# Altium PCB FYDP_rev1.PcbDoc (continued)
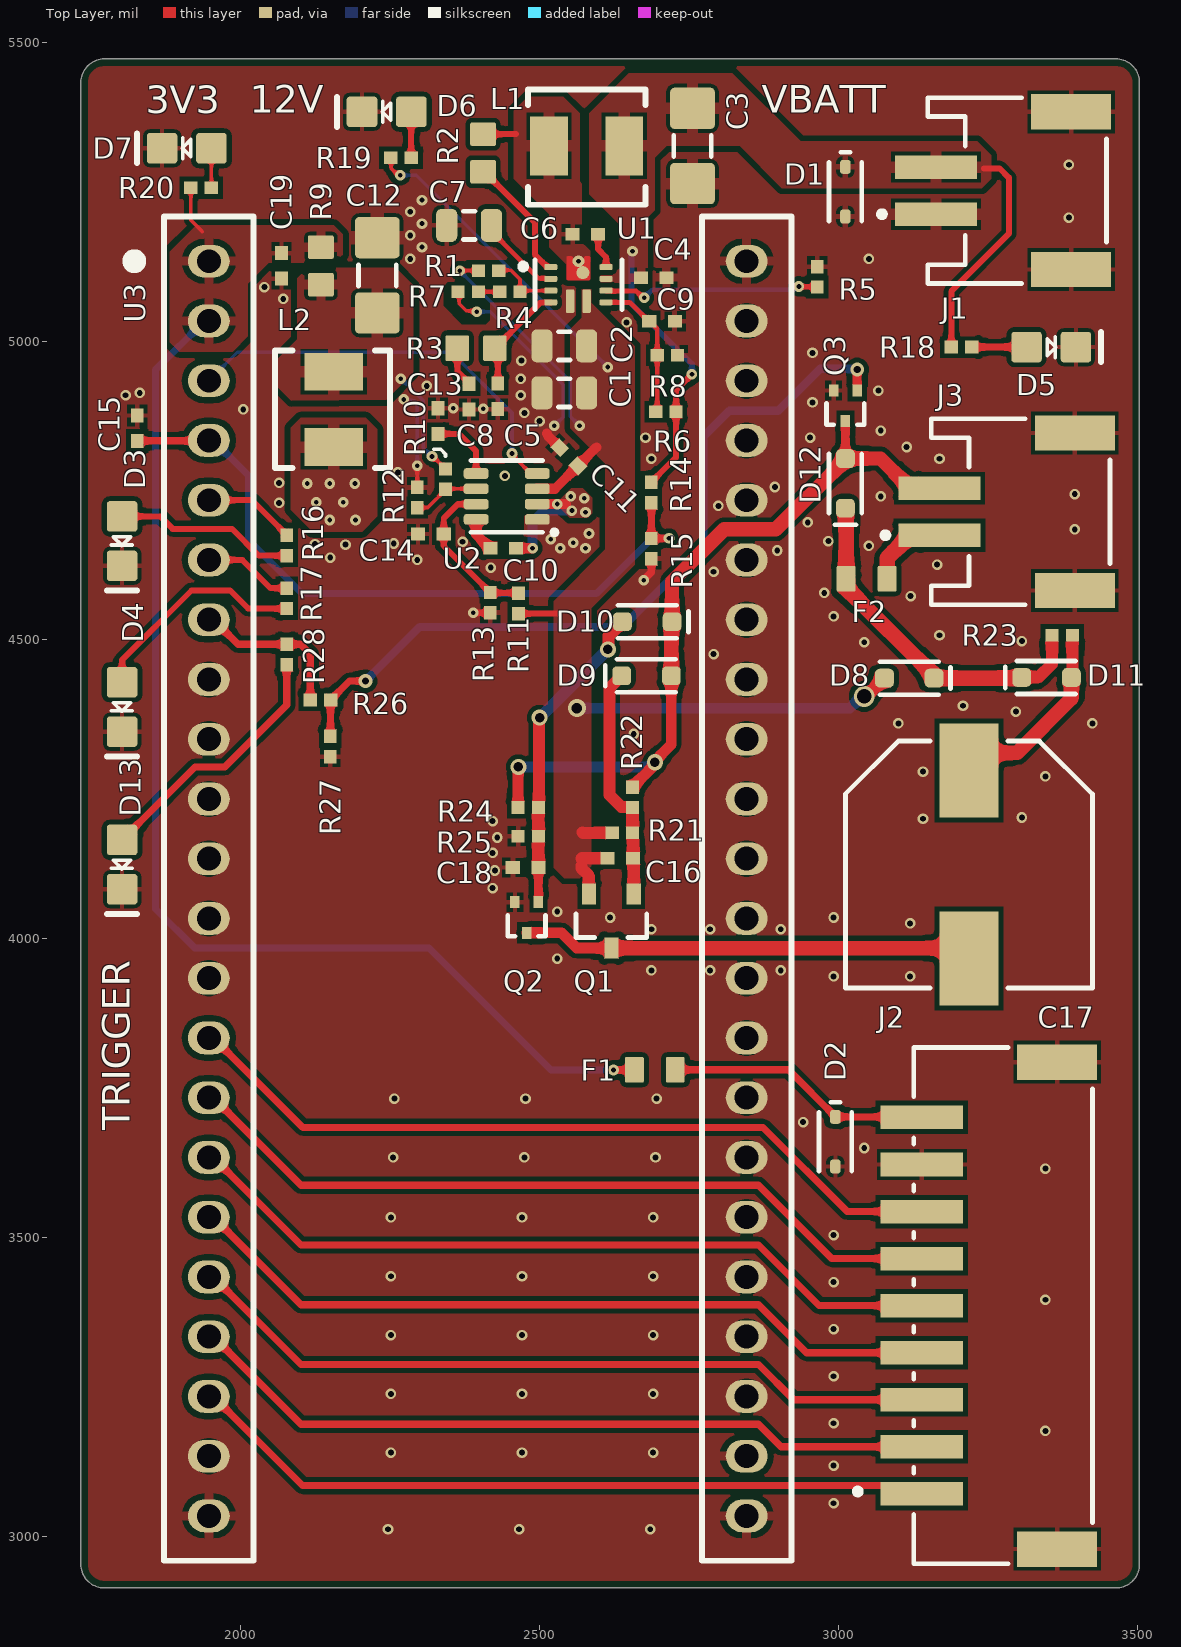
[diagram p0: Top Layer view]
## Footprints (in the part's own frame and the unit in brackets; to place one, negate y for a bottom-side part, rotate by r counter-clockwise, add the part's x,y. Pads: shape width x height; smd on the part's side, far side on the other; paste and mask are expansions set on the pad)
CAP0402 [mm]
  rect 0.6x0.54 smd paste-100 mask+0.051: 1(0,0) 2(1.09,0)
  body extent 0.06,-0.25 1.06,0.25, height 0.5
CAP0805 [mm]
  rrect50% 0.9x1.4 smd: 1(0,0) 2(1.9,0)
  silkscreen extent 0.7,-0.6 1.2,0.6, body extent -0.05,-0.6 1.95,0.6, height 1.2
CAP1206 [mm] "Chip Capacitor, Body 3.2x1.6mm, Height 0.55mm, IPC Medium Density"
  rrect20% 1.75x1.9 smd: 1(-1.6,0) 2(1.6,0)
  silkscreen extent -0.45,-0.8 0.45,0.8, body extent -1.7,-0.9 1.7,0.9, height 0.88
EPS32-S3-DevKitC [mil]
  oval 70x55 hole 40: 1(0,0) 2(0,-100) 3(0,-200) 4(0,-300) 5(0,-400) 6(0,-500) 7(0,-600) 8(0,-700) 9(0,-800) 10(0,-900) 11(0,-1000) 12(0,-1100) 13(0,-1200) 14(0,-1300) 15(0,-1400) 16(0,-1500) 17(0,-1600) 18(0,-1700) 19(0,-1800) 20(0,-1900) 21(0,-2000) 22(0,-2100) 23(900,0) 24(900,-100) 25(900,-200) 26(900,-300) 27(900,-400) 28(900,-500) 29(900,-600) 30(900,-700) 31(900,-800) 32(900,-900) 33(900,-1000) 34(900,-1100) 35(900,-1200) 36(900,-1300) 37(900,-1400) 38(900,-1500) 39(900,-1600) 40(900,-1700) 41(900,-1800) 42(900,-1900) 43(900,-2000) 44(900,-2100)
  silkscreen extent -135,-2175 975,75
FP-RNR0011A-MFG [mm]
  rrect40% 0.55x0.25 smd paste+0 mask+0: 1(-1.175,0.75) 2(-1.175,0.25) 3(-1.175,-0.25) 4(-1.175,-0.75) 7(1.175,-0.75) 8(1.175,-0.25) 9(1.175,0.25) 10(1.175,0.75)
  rrect29% 0.35x1 smd paste-1000 mask+0: 5(-0.35,-0.7) 6(0.35,-0.7)
  round 0.553 smd paste-1000 mask+0: 11(0.188,0.513)
  Top Layer region: 0.45,0.2 0.469,0.204 0.485,0.215 0.496,0.231 0.5,0.25 0.5,0.25 0.5,1.15 0.493,1.175 0.475,1.193 0.45,1.2 0.45,1.2 0.3,1.2 0.275,1.193 0.257,1.175 0.25,1.15 0.25,1.15 0.25,0.87 0.246,0.851 0.235,0.835 0.219,0.824 0.2,0.82 0.2,0.82 -0.2,0.82 -0.225,0.827 -0.243,0.845 -0.25,0.87 -0.25,0.87 -0.25,1.15 -0.254,1.169 -0.265,1.185 -0.281,1.196 -0.3,1.2 -0.3,1.2 -0.45,1.2 -0.475,1.193 -0.493,1.175 -0.5,1.15 -0.5,1.15 -0.5,0.25 -0.496,0.231 -0.485,0.215 -0.469,0.204 -0.45,0.2 -0.45,0.2 -0.45,0.2
  silkscreen extent -2.47,-1.05 1.85,1.05, body extent -1.55,-1.3 1.55,1.35, height 0.25
FP-S9B-PH-SM4-TB_LF_SN-MFG [mm]
  rect 1x3.5 smd paste+0 mask+0: 1(8,-3.45) 2(6,-3.45) 3(4,-3.45) 4(2,-3.45) 5(0,-3.45) 6(-2,-3.45) 7(-4,-3.45) 8(-6,-3.45) 9(-8,-3.45)
  rect 1.5x3.4 smd paste+0 mask+0: 10(-10.35,2.3) 11(10.35,2.3)
  silkscreen extent -10.97,-6.3 10.97,3.8, body extent -11.2,-5.3 11.2,4.1, height 0.25
FUSE_0603 [mm] "Chip Fuse, Body 1.6x0.81mm"
  rrect15% 0.8x1.09 smd: 1(-0.87,0) 2(0.87,0)
  body extent -0.8,-0.38 0.8,0.38, height 0.75
"JST- S2B-PH-SM4-TB(LF)(SN)-2_V" [mm] "SMD, 2-Leads, Body 7.9x7.6mm, Pitch 2mm"
  rect 1x3.5 smd: 1(-1,3.45) 2(1,3.45)
  rect 1.5x3.4 smd: MP1(-3.35,-2.3) MP2(3.35,-2.3)
  silkscreen extent -3.95,-3.8 3.95,5.87, body extent -3.95,-3.8 3.95,4.8, height 5.6
LED_0805_GREEN [mm] "SMD, 2-Leads, Body 2x1.25mm"
  rrect20% 1.3x1.3 smd: 1(1.05,0) 2(-1.05,0)
  silkscreen extent -0.18,-0.63 2.11,0.64, body extent -1,-0.62 1,0.63, height 1.12
LED_0805_RED [mm] "SMD, 2-Leads, Body 2x1.25mm"
  rrect20% 1.3x1.3 smd: 1(1.05,0) 2(-1.05,0)
  silkscreen extent -0.18,-0.63 2.11,0.64, body extent -1,-0.62 1,0.63, height 1.12
LED_0805_YELLOW [mm] "SMD, 2-Leads, Body 2x1.25mm"
  rrect20% 1.3x1.3 smd: 1(1.05,0) 2(-1.05,0)
  silkscreen extent -0.18,-0.64 2.11,0.64, body extent -1,-0.62 1,0.63, height 1.12
NIC-CAPA2-10X10_V [mm] "Aluminum Electrolytic Capacitor, Diameter 10mm, Height 10.8mm, Pitch 8mm"
  rect 4x2.5 smd: 1(-4,0) 2(4,0)
  silkscreen extent -5.25,-5.25 5.25,5.25, body extent -4.96,-4.99 5,4.99, height 10.8
RES0402 [mm]
  rect 0.566x0.54 smd paste-100 mask+0.051: 1(0,0) 2(0.866,0)
  body extent -0.07,-0.25 0.93,0.25, height 0.3
RES0603 [mm]
  rrect15% 1x1.1 smd: 1(0,0) 2(1.6,0)
  body extent 0,-0.4 1.6,0.4, height 0.46
SD05-7 [mm] "SOD-323"
  rrect50% 0.59x0.45 smd: 1(0,0) 2(2.11,0)
  silkscreen extent -0.63,-0.7 2.3,0.7, body extent -0.2,-0.63 2.3,0.63, height 1
SOD-323 [mm] "SOD-323"
  rrect50% 0.8x0.8 smd: 1(0,0) 2(2.11,0)
  silkscreen extent -0.7,-0.7 2.3,0.7, body extent -0.2,-0.63 2.3,0.63, height 1
SOT23-3 [mm] "SOT23, 3-Leads, Body 2.90x2.30mm, Pitch 0.95mm, IPC Medium Density"
  rect 0.9x0.6 smd: 1(-1.15,0.95) 2(-1.15,-0.95) 3(1.15,0)
  silkscreen extent -0.3,-1.5 0.7,1.5, body extent -1.3,-1.5 1.3,1.5, height 1.1
SOT-523 [mm]
  rect 0.4x0.51 smd: 1(-0.5,-0.65) 2(0.5,-0.65) 3(0,0.65)
  silkscreen extent -0.8,-0.1 0.8,0.8, body extent -0.8,-0.83 0.8,0.8, height 0.81
TMPA0503S-3R3MN-D [mm]
  rect 1.6x2.5 smd: 1(0,0) 2(3.2,0)
  silkscreen extent -0.9,-2.4 4.1,2.5, body extent -1,-2.5 4.2,2.5, height 3
TPS563210ADDFR [mm] "SOT-23-8"
  rrect50% 1.05x0.45 smd: 1(-1.3,0.975) 2(-1.3,0.325) 3(-1.3,-0.325) 4(-1.3,-0.975) 5(1.3,-0.975) 6(1.3,-0.325) 7(1.3,0.325) 8(1.3,0.975)
  silkscreen extent -2.11,-1.52 1.52,1.6, body extent -1.48,-1.45 1.48,1.45, height 1.1

## Part data
C1 C2 C7: library part CAP0805, "25V 10uF X5R ±10% 0805  Multilayer Ceramic Capacitors MLCC - SMD/SMT ROHS", Capacitance=10uF, Dielectric=X5R, Manufacturer="Samsung Electro-Mechanics", Package=0805, Tolerance=10%, Voltage Rating=25V, Manufacturer Part Number=CL21A106KAYNNNE
C3 C12: library part CAP1206, "10V 47uF X5R ±20% 1206  Multilayer Ceramic Capacitors MLCC - SMD/SMT ROHS", Capacitance=47uF, Dielectric=X5R, Manufacturer="Samsung Electro-Mechanics", Package=1206, Tolerance=20%, Voltage Rating=10V, Manufacturer Part Number=CL31A476MPHNNNE
C4 C6 C9 C10 C11 C14 C15 C16 C18 C19: library part CAP0402, "50V 100nF X7R ±10% 0402  Multilayer Ceramic Capacitors MLCC - SMD/SMT ROHS", Capacitance=100nF, Dielectric=X7R, Manufacturer="Samsung Electro-Mechanics", Package=0402, Tolerance=±20%, Voltage Rating=50V, Manufacturer Part Number=CL05B104KB54PNC
C5: library part CAP0402, "50V 47pF C0G ±5% 0402  Multilayer Ceramic Capacitors MLCC - SMD/SMT ROHS", Capacitance=47pF, Dielectric=C0G, Manufacturer="FH (Guangdong Fenghua Advanced Tech)", Package=0402, Tolerance=±5%, Voltage Rating=50V, Manufacturer Part Number=0402CG470J500NT
C8: library part CAP0402, "50V 1nF X7R ±10% 0402  Multilayer Ceramic Capacitors MLCC - SMD/SMT ROHS", Capacitance=1nF, Dielectric=X7R, Manufacturer="FH (Guangdong Fenghua Advanced Tech)", Package=0402, Tolerance=±10%, Voltage Rating=50V, Manufacturer Part Number=0402B102K500NT
C13: library part CAP0402, "50V 22nF X7R ±10% 0402  Multilayer Ceramic Capacitors MLCC - SMD/SMT ROHS", Capacitance=22nF, Dielectric=X7R, Manufacturer="FH (Guangdong Fenghua Advanced Tech)", Package=0402, Tolerance=10%, Voltage Rating=50V, Manufacturer Part Number=0402B223K500NT
C17: library part CMP-0687-00002-1, "Aluminum Electrolytic Capacitor, UD Series, Low Impedance, 470 uF, 25 V, + / - 20%, -55 to 105 degC, Chip Type, 10 x 10 mm D x L, Pb-Free, Reel", Manufacturer=Nichicon, Rated Capacitance="470 uF", Rated Ripple Current (at 100kHz)="670 mA", Rated Voltage="25 V", Tolerance Rated Capacitance="-20 to 20%", ComponentLink1Description="Manufacturer URL", ComponentLink1URL=http://www.nichicon.co.jp/, ComponentLink2Description=Datasheet, ComponentLink2URL=http://products.nichicon.co.jp/en/pdf/XJA043/e-ud.pdf, ComponentLink3Description="Package Specification", ComponentLink3URL=http://products.nichicon.co.jp/en/pdf/XJA043/e-ud.pdf, DatasheetVersion=08/2012, Diameter="10 mm", Endurance Time="5000 h", Impedance="0.09 Ohm", Length="10 mm", Mounting Technology="Surface Mount", PackageDescription="2-Pin Surface Mount Device, Diameter 10 mm, Height 10 mm, Pitch 8 mm", PackageReference=CAPAE-D10H10, Packing="Dia382mm Reel", PartNumber=UUD1E471MNL1GS, RoHS=TRUE
D1 D2: "TVS UNI14.5V 6.2V 5V SOD-323", Breakdown Voltage=6.2V, Clamping Voltage=14.5V, Manufacturer="Diodes Incorporated", Package=SOD-323, Reverse Standoff Voltage=5V, Manufacturer Part Number=SD05-7
D3: library part LED_GREEN, "Emerald 0805  Light Emitting Diodes (LED) ROHS", Manufacturer="Hubei KENTO Elec", If rated=20mA, Manufacturer Part Number=KT-0805G, Vf=2.1V
D4: library part LED_RED, "Colorless transparence 67mcd~195mcd -30℃~+85℃ 615nm~630nm Red 130° 65mW 0805  Light Emitting Diodes (LED) ROHS", Manufacturer="Foshan NationStar Optoelectronics", If rated=25mA, Manufacturer Part Number=NCD0805R1, Vf=2.0V
D5 D6 D7 D13: library part LED_YELLOW, "Yellow 0805  Light Emitting Diodes (LED) ROHS", Manufacturer="Hubei KENTO Elec", If rated=20mA, Manufacturer Part Number=KT-0805Y, Vf=2.1V
D8 D9 D10 D11 D12: "40V 470mV@500mA 0.5A SOD-323  Schottky Barrier Diodes (SBD) ROHS", Manufacturer="Taiwan Semiconductor", Package/Footprint=SOD-323, Io=0.5A, Manufacturer Part Number=RB551V-40, Mounting Type=SMD, Vf (Max)="470mV @ 0.5A", Vr (Max)=40V
F1 F2: library part FUSE0603, "50A SMD Fuse 1A 32V 32V 0603  Fuses ROHS", Current Rating=1A, Manufacturer=Littelfuse, Package=0603, Supplier Part Number 1=6130137, Voltage Rating=32V, Manufacturer Part Number=0467001.NRHF, Supplier 1="Future Electronics"
J1 J3: library part CMP-1755-00001-1, "Male Header, Pitch 2 mm, 1 x 2 Position, Height 5.5 mm, -25 to 85 degC, RoHS, Tape and Reel", Colour=Black, Current Rating="3 A", Max Operating Temperature=105degC, Min Operating Temperature=-65degC, Package Quantity=100, ComponentLink1Description="Manufacturer URL", ComponentLink1URL=http://www.jst.com/home2.html, ComponentLink2Description=Datasheet, ComponentLink2URL=http://www.jst-mfg.com/product/pdf/eng/ePH.pdf, Contact Finish=Lead, Contact Material=Bronze, Contact Plating=Tin, DatasheetVersion=Dec-12, Height="8.13 mm", Lead Pitch="0.1 inch", Length="101.19 mm", Mount="Through Hole", PackageDescription="Male Header, Pitch 2 mm, 1 x 2 Position, Height 5.5 mm", PackageReference=S2B-PH-SM4-TB(LF)(SN)-2, Packaging=Bulk, Pins=40, Radiation Hardening=No, RoHSCompliant=True, Width="2.34 mm"
J2: library part CMP-17439-000494-1, "CONN HEADER SMD R/A 9POS 2MM", Color=White, Contact Resistance=10mR, Current Rating=2A, Flammability Rating="UL94 V-0", Housing Color=Natural, Insulation Resistance=1GR, Max Operating Temperature=85°C, Min Operating Temperature=-25°C, Voltage Rating=100V, Connector Type=Header, Contact Finish - Mating=TIN, Contact Material="Copper Alloy", Contact Mating Length=0.13inch, Contact Plating=Tin, Contact Shape=Square, Contact Type="Male Pin", Fastening Type=Detent, Gender=Male, Housing Material=Nylon, Insulation Color=Natural, Insulation Material=Nylon, Lead Free="Lead Free", Lead Pitch=2mm, Mount="Surface Mount", Number of Contacts=9, Number of Poles=9, Number of Positions=9, Number of Rows=1, Orientation="Right Angle", Packaging="Cut Tape", Pitch=2mm, Reach SVHC Compliant=Yes, Series=PH, Termination=Solder, Voltage Rating (AC)=100V, Working Voltage=100V
L1 L2: "INDUCTOR 5.3A 3.3uH ±20% SMD Power Inductors ROHS", DC Resistance=28mR, Inductance=3.3uH, Manufacturer=TAI-TECH, Tolerance=20%, Isat(min)=5.3A, Manufacturer Part Number=TMPA0503S-3R3MN-D
Q1: "P-Channel 30 V 760mA (Ta) 540mW (Ta) Surface Mount Micro3™/SOT-23", Manufacturer 1="Infineon Technologies", Power Dissipation (Max)="540mW (Ta)", Supplier Part Number 1=942-IRLML5103TRPBF, Id=760mA, Manufacturer Part Number 1=IRLML5103TRPBF, Mounting Type=SMD, Supplier 1=Mouser, Vdss=30V, Vgs (Max)=±20V
Q2 Q3: "NFET 60 V 320mA (Ta) 230mW (Ta) Surface Mount SOT-523", Package=SOT-523, Supplier Part Number 1=DMN62D0UT-7DICT-ND, Id @ 25°C=320mA, Supplier 1=Digikey, Vdss=60V, Vgs (Max)=±20V, Vgs(th) (Max) @ Id="1V @ 250uA"
R1 R5: library part RES0402, "62.5mW Thick Film Resistors ±100ppm/℃ ±1% 1MΩ 0402  Chip Resistor - Surface Mount ROHS", Manufacturer="UNI-ROYAL(Uniroyal Elec)", Package=0402, Power Rating=62.5mW, Resistance=1MR, Tolerance=1%, Manufacturer Part Number=0402WGF1004TCE
R2: library part RES0603, "100mW Thick Film Resistors ±100ppm/℃ ±1% 330kΩ 0603  Chip Resistor - Surface Mount ROHS", Manufacturer="UNI-ROYAL(Uniroyal Elec)", Package=0603, Power Rating=100mW, Resistance=330kR, Tolerance=1%, Manufacturer Part Number=0603WAF3303T5E
R3: library part RES0603, "100mW Thick Film Resistors ±100ppm/℃ ±1% 24kΩ 0603  Chip Resistor - Surface Mount ROHS", Manufacturer="UNI-ROYAL(Uniroyal Elec)", Package=0603, Power Rating=100mW, Resistance=24kR, Tolerance=1%, Manufacturer Part Number=0603WAF2402T5E
R4: library part RES0402, "62.5mW Thick Film Resistors ±100ppm/℃ ±1% 100kΩ 0402  Chip Resistor - Surface Mount ROHS", Manufacturer="UNI-ROYAL(Uniroyal Elec)", Package=0402, Power Rating=62.5mW, Resistance=100kR, Tolerance=1%, Manufacturer Part Number=0402WGF1003TCE
R6: library part RES0402, "62.5mW Thick Film Resistors ±100ppm/℃ ±1% 15kΩ 0402  Chip Resistor - Surface Mount ROHS", Manufacturer="UNI-ROYAL(Uniroyal Elec)", Package=0402, Power Rating=62.5mW, Resistance=15kR, Tolerance=1%, Manufacturer Part Number=0402WGF1502TCE
R7 R8 R12 R13 R14 R23 R27: library part RES0402, "62.5mW Thick Film Resistors ±100ppm/℃ ±1% 10kΩ 0402  Chip Resistor - Surface Mount ROHS", Manufacturer="UNI-ROYAL(Uniroyal Elec)", Package=0402, Power Rating=62.5mW, Resistance=10kR, Tolerance=1%, Manufacturer Part Number=0402WGF1002TCE
R9: library part RES0603, "100mW Thick Film Resistors ±1% 0Ω 0603  Chip Resistor - Surface Mount ROHS", Manufacturer="UNI-ROYAL(Uniroyal Elec)", Package=0603, Power Rating=100mW, Resistance=0R, Tolerance=1%, Manufacturer Part Number=0603WAF0000T5E
R10 R15: library part RES0402, "62.5mW Thick Film Resistors ±100ppm/℃ ±1% 33kΩ 0402  Chip Resistor - Surface Mount ROHS", Manufacturer="UNI-ROYAL(Uniroyal Elec)", Package=0402, Power Rating=62.5mW, Resistance=33kR, Tolerance=1%, Manufacturer Part Number=0402WGF3302TCE
R11 R21 R25: library part RES0402, "62.5mW Thick Film Resistors ±100ppm/℃ ±1% 51kΩ 0402  Chip Resistor - Surface Mount ROHS", Manufacturer="UNI-ROYAL(Uniroyal Elec)", Package=0402, Power Rating=62.5mW, Resistance=51kR, Tolerance=1%, Manufacturer Part Number=0402WGF5102TCE
R16 R20 R28: library part RES0402, "62.5mW Thick Film Resistors ±100ppm/℃ ±1% 330Ω 0402  Chip Resistor - Surface Mount ROHS", Manufacturer="UNI-ROYAL(Uniroyal Elec)", Package=0402, Power Rating=62.5mW, Resistance=330R, Tolerance=1%, Manufacturer Part Number=0402WGF3300TCE
R17 R18 R22 R24: library part RES0402, "62.5mW Thick Film Resistors ±100ppm/℃ ±1% 510Ω 0402  Chip Resistor - Surface Mount ROHS", Manufacturer="UNI-ROYAL(Uniroyal Elec)", Package=0402, Power Rating=62.5mW, Resistance=510R, Tolerance=1%, Manufacturer Part Number=0402WGF5100TCE
R19: library part RES0402, "62.5mW Thick Film Resistors ±100ppm/℃ ±1% 2.2kΩ 0402  Chip Resistor - Surface Mount ROHS", Manufacturer="UNI-ROYAL(Uniroyal Elec)", Package=0402, Power Rating=62.5mW, Resistance=2.2kR, Tolerance=1%, Manufacturer Part Number=0402WGF2201TCE
R26: library part RES0402, "62.5mW Thick Film Resistors ±1% ±200ppm/℃ 100Ω 0402  Chip Resistor - Surface Mount ROHS", Manufacturer="UNI-ROYAL(Uniroyal Elec)", Package=0402, Power Rating=62.5mW, Resistance=100R, Tolerance=1%, Manufacturer Part Number=0402WGF1000TCE
U1: library part CMP-04918-000107-1, "IC REG BOOST ADJ 7A 11VQFN", Manufacturer="Texas Instruments", Max Junction Temp=+125°C, Max Supply Voltage=12V, Min Supply Voltage=2.7V, Nominal Supply Current=10uA, Output Current=8.1-10A, Output Voltage=4.5-12.6V, Package=11VQFN, Switching Frequency=200-2200kHz, Temperature="-40°C to +85°C", Temperature Range High=+85°C, Temperature Range Low=-40°C, Automotive=No, Category=IC, ComponentLink2Description=Datasheet, ComponentLink2URL=http://www.ti.com/lit/ds/symlink/tps61089.pdf, Device Class L1="Integrated Circuits (ICs)", Device Class L2="Power Management ICs", Device Class L3="Voltage Regulators - Switching", Digikey Description="IC REG BOOST ADJ 7A 11VQFN", Height=1mm, Lead Free=Yes, Manufacturer Part Number=TPS61089RNRR, Max Duty Cycle=90%, Number Of Outputs=1, Octopart=https://octopart.com/tps61089rnrr-texas+instruments-68059594, Output Type=AdjustableProgrammable, RoHS=TRUE, Standoff Height=0mm, Switching Topology=Boost
U2: "IC REG BUCK ADJ 3A SOT-23-8", Manufacturer="Texas Instruments", Package=SOT-23-8, Supplier Part Number 1=595-TPS563210ADDFR, Manufacturer Part Number=TPS563210ADDFR, Supplier 1=Mouser
U3: library part EPS32-S3-DevKitC, Dev Kit Part Number=ESP32-S3-DevKitC-1, MCU Part Number=ESP32-S3-WROOM-2-N32R8V

## Via types
v1: diameter 17.72, hole 9.84, Top Layer to Bottom Layer, tented both sides, 119 vias
v2: diameter 17.72, hole 7.87, Top Layer to Bottom Layer, tented both sides, 39 vias
v3: diameter 27, hole 16, Top Layer to Bottom Layer, tented both sides, 4 vias
v4: diameter 17.72/17.72/17.72/17.72 (per signal layer), hole 7.87, Top Layer to Bottom Layer, tented both sides, 3 vias
v5: diameter 23, hole 12, Top Layer to Bottom Layer, tented both sides, 2 vias
v6: diameter 30, hole 18, Top Layer to Bottom Layer, tented both sides, 1 vias
v7: diameter 35, hole 24, Top Layer to Bottom Layer, tented both sides, 1 vias
v8: diameter 19.68, hole 7.87, Top Layer to Bottom Layer, 1 vias

## Nets (pads, with @x,y where several pads share a name; then routed paths per layer and width w, separated by ;. In a path a pad name is that pad's centre, name@x,y a point inside that pad or via, vN(x,y) a via of type N, cw(c..) or ccw(c..) an arc to the next point about the centre after c; other vN are vias at no path point)
BOOST_EN: C9.2 R6.1 R8.2 U1.7 | length 244.2
  Top Layer w8: U1.7 2650.78,5064.96 2682.28,5033.46 C9.2 2684.64,5033.46 2691.27,5026.83 2691.27,5025.65 2696.85,5020.07 2696.85,4884.47 R6.1
BUCK_EN: C14.2 R11.1 R13.2 U2.7 | length 268.6
  Top Layer w10: U2.7 2363.19,4727.36 2339.57,4703.74 C14.2 2339.57,4657.11 2411.19,4585.49 2411.69,4585.49 2417.32,4579.86 R13.2 2418,4578.68 2463.89,4578.68 R11.1
GND: C1.1 C2.1 C3.1 C4.1 C5.1 C7.1 C8.1 C9.1 C11.1 C12.1 C13.1 C14.1 C15.1 C18.1 C19.1 D1.2 D2.2 D3.1 D4.1 D5.1 D6.1 D7.1 D13.1 J1.1 J1.MP1 J1.MP2 J2.8 J2.10 J2.11 J3.MP1 J3.MP2 Q2.2 Q3.2 R5.1 R7.1 R8.1 R12.1 R13.1 R15.2 R25.1 R27.1 U1.5 U2.1 U3.22 U3.23 U3.43 U3.44 | length 594.2
  Top Layer w6: R12.1 v4(2295.28,4791.34) ; R7.1 2365.24,5080.99 2365.24,5062.91 2377.46,5050.69 2393.21,5050.69 v4(2394.68,5049.21)
  Top Layer w10: v2(2388.78,4545.39) 2388.83,4545.33 R13.1 R13.1
  Top Layer w12: v2(2674.21,4600.05) 2674.21,4600.39 2687.01,4613.19 R15.2
  Top Layer w16: 2511.81,4845.47 2513.78,4843.5 2513.78,4841.54 C11.1
  Bottom Layer w6: v2(2272.64,4902.56) 2274.75,4900.45 2290.5,4900.45 2295.28,4895.67 v4(2295.28,4791.34) ; v4(2394.68,5049.21) 2417.32,5049.21 2539.37,4927.17 2539.37,4873.01 v4(2524.59,4858.23)
  other v1: 2246.24,3011.55 2465.73,3011.55 2685.22,3011.55 2992.13,3055.12 2992.13,3118.11 2250.98,3139.76 2470.47,3139.76 2689.96,3139.76 3346.46,3176.18 2992.13,3188.98 2250.98,3238.19 2470.47,3238.19 2689.96,3238.19 2992.13,3267.72 2250.98,3336.61 2470.47,3336.61 2689.96,3336.61 2992.13,3346.46 3346.46,3395.67 2992.13,3425.2 2250.98,3435.04 2470.47,3435.04 2689.96,3435.04 2992.13,3503.94 2250.98,3533.46 2470.47,3533.46 2689.96,3533.46 3346.46,3615.16 2254.92,3633.86 2474.41,3633.86 2693.9,3633.86 3043.31,3649.61 2940.94,3692.91 2256.89,3732.28 2476.38,3732.28 2695.87,3732.28 2992.13,3937.01 3120.08,3937.01 2687.01,3946.85 2785.43,3946.85 2903.54,3946.85 2529.53,3966.54 2687.01,4015.75 2785.43,4015.75 2903.54,4015.75 3120.08,4025.59 2618.11,4035.43 2992.13,4035.43 2529.53,4045.28 2421.26,4084.65 2425.2,4114.17 2421.26,4143.7 2429.13,4169.29 2421.26,4196.85 3141.73,4200.79 3307.09,4202.76 3346.46,4271.65 3141.73,4279.53 2657.48,4342.52 3100.39,4360.24 3425.2,4360.24 3297.24,4379.92 3208.66,4389.76 2791.34,4476.38 3043.31,4496.06 3307.09,4498.03 3169.29,4507.87 2992.13,4539.37 3120.86,4573.39 2976.38,4578.74 2791.34,4614.17 2418.31,4621.06 3165.35,4625.98 2295.28,4633.86 2149.61,4637.8 2897.64,4649.61 3051.18,4657.48 2175.2,4659.45 2124.02,4660.43 2255.91,4661.42 2371.06,4664.37 2983.26,4665.35 3395.67,4685.04 2948.82,4696.85 2799.21,4724.41 2063.98,4729.33 3070.87,4740.16 3395.67,4744.09 2893.7,4755.91 2063.98,4762.8 2441.93,4774.61 2262.8,4780.51 2687.01,4803.15 3169.29,4803.15 3114.17,4822.83 2677.17,4838.58 2952.76,4838.58 3070.87,4850.39 2500,4866.14 2474.41,4879.92 2003.94,4885.83 2956.69,4897.64 1807.09,4909.45 2468.5,4909.45 1830.71,4913.39 3066.93,4917.32 2311.02,4925.2 2468.5,4937.01 2469.49,4967.52 2956.69,4980.31 2645.67,5031.5 2070.87,5070.87 2039.37,5090.55 2283.46,5137.8 3051.18,5137.8 2283.46,5177.17 3385.83,5206.69 2283.46,5216.54 3385.83,5295.28
  other v2: 2534.45,4653.54 2576.77,4653.54 2556.1,4662.4 2518.7,4668.31 2582.68,4678.15 2405.51,4886.81 2355.32,4887.8 2303.15,5157.48 2303.15,5196.85 2303.15,5236.22
IMU1_INT: J2.6 U3.15 | length 1304.9
  Top Layer w12: U3.15 1953.96,3733.86 2100.45,3587.37 2866.2,3587.37 2989,3464.57 J2.6
IMU2_INT: J2.7 U3.14 | length 1313.7
  Top Layer w12: U3.14 1953.96,3833.86 2103.76,3684.06 2874.02,3684.06 3014.76,3543.31 J2.7
LED_1: R16.2 U3.5 | length 154.9
  Top Layer w10: U3.5 2018.62,4733.86 2076.77,4675.7 R16.2
LED_2: R17.2 U3.6 | length 149.9
  Top Layer w10: U3.6 2002.39,4633.86 2049.63,4586.61 R17.2
NetC5_2: C5.2 R3.2 U1.4 | length 187.5
  Top Layer w10: C5.2 2430,4983.37 R3.2 2425.19,4990.15 2439.88,5004.83 2441.85,5004.83 2501.97,5064.96 U1.4
NetC6_1: C6.1 U1.10 | length 60.6
  Top Layer w10: C6.1 2598.04,5153.93 2611.22,5140.75 U1.10
NetC6_2: C6.2 L1.2 R2.2 U1.11 | length 55.1
  Top Layer w10: R2.2 2460.63,5346.46
  other v8: 2564.96,5133.86
NetC7_2: C7.2 U1.2 | length 142.3
  Top Layer w8: C7.2 2419.29,5184.06 2498.09,5105.25 2517.78,5105.25 U1.2
NetC8_2: C8.2 R3.1 | length 67.6
  Top Layer w10: R3.1 2362.2,4949.61 2381.89,4929.93 C8.2
NetC10_1: C10.1 L2.1 U2.2 | length 193.2
  Top Layer w17: C10.1 v2(2488.19,4653.54) ; U2.2 2544.29,4727.36
  Bottom Layer w17: v2(2488.19,4653.54) 2488.19,4696.85 2507.74,4716.4 2554,4716.4 v2(2554.13,4716.54)
  other v2: 2148.62,4700.79 2191.93,4700.79 2576.77,4713.58 2529.53,4727.36 2125.98,4730.31 2171.26,4730.31 2574.8,4737.2 2552.17,4740.16 2111.22,4761.81 2148.62,4761.81 2190.94,4761.81
NetC10_2: C10.2 U2.8 | length 58.9
  Top Layer w17: U2.8 2393.7,4676.37 2414.4,4655.67 2415.58,4655.67 C10.2
NetC12_2: C12.2 L2.2 R9.1 R10.2 | length 183.8
  Top Layer w6: v2(2319.88,4807.09) 2321.99,4807.09 2342.52,4786.55 R10.2
  Bottom Layer w6: v2(2267.72,4937.01) 2268.7,4937.01 2305.12,4900.59 2305.12,4821.85 v2(2319.88,4807.09)
NetC13_2: C13.2 U2.5 | length 113.1
  Top Layer w10: C13.2 2364.77,4844.88 2393.7,4815.94 U2.5
NetC16_1: C16.1 D9.1 Q1.1 R21.1 R22.1 | length 399.7
  Top Layer w20: D9.1 2617.13,4419.69 2617.13,4240.16 2636.66,4220.62 2654.88,4220.62 R22.1@2655.51,4219.99 ; R21.1 R22.1@2655.51,4219.99 ; R22.1 R22.1@2655.51,4219.99 ; C16.1 R21.1@2656.5,4176.18 ; Q1.1 C16.1@2657.48,4134.84
NetC17_1: C17.1 D11.2 R23.1 | length 328.1
  Top Layer w20: D11.2@3391.73,4438.98 3391.73,4456.69 R23.1
  Top Layer w24: C17.1 3248.03,4311.02 3299.21,4311.02 3389.98,4401.8 D11.2 D11.2@3391.73,4438.98
NetC17_2: C17.2 Q1.3 Q2.3 | length 758.1
  Top Layer w18: Q2.3 2536.56,4009.84 2562.15,3984.25 Q1.3
  Top Layer w24: Q1.3 3200.79,3984.25 C17.2
NetC18_2: C18.2 D10.2 Q2.1 R24.1 R25.2 | length 526
  Top Layer w14: Q2.1 C18.2
  Top Layer w20: C18.2 R25.2 R24.1 2498.39,4219.49 2499.02,4220.12 2499.02,4369.09 v3(2500,4370.08) ; v3(2614.17,4484.25) 2615.51,4485.59 2615.51,4507.39 D10.2
  Bottom Layer w20: v3(2500,4370.08) v3@2612.83,4482.91
NetD2_1: D2.1 F1.1 J2.9 | length 445.6
  Top Layer w12: F1.1 2916.34,3780.51 D2.1 3138.78,3701.77 J2.9
NetD3_2: D3.2 R16.1 | length 302.8
  Top Layer w10: D3.2 1865.16,4706.69 1885.83,4686.02 1985.24,4686.02 2030.14,4641.12 R16.1
NetD4_2: D4.2 R17.1 | length 373.6
  Top Layer w10: D4.2 1801.18,4466.54 1917.32,4582.68 1982.11,4582.68 2012.26,4552.53 R17.1
NetD5_2: D5.2 R18.1 | length 91.9
  Top Layer w12: R18.1 D5.2
NetD6_2: D6.2 R19.1 | length 76.9
  Top Layer w10: R19.1 2285.06,5383.49 D6.2
NetD7_2: D7.2 R20.1 | length 66.1
  Top Layer w6: R20.1 1950.79,5257.26 D7.2
NetD8_1: D8.1 D11.1 D12.1 F2.1 R23.2 | length 601.4
  Top Layer w20: D11.1@3306.91,4436.02 D11.1 3307.59,4437.91 3335.54,4437.91 3357.65,4460.01 R23.2
  Top Layer w26: D12.1@3012.99,4720.47 F2.1 3015.74,4599.61 3015.74,4584.65 3157.49,4442.91 3157.49,4438.77 D8.1@3161.42,4438.77 ; D8.1 D11.1@3306.91,4436.02
NetD9_2: D9.2 D10.1 D12.2 J3.2 Q3.3 R22.2 R24.2 | length 1286.2
  Top Layer w14: D12.2 Q3.3
  Top Layer w18: R24.2 2463.95,4286.79 v3(2464.57,4287.4) ; R22.2@2655.51,4254.07 2691.48,4290.04 2691.48,4293.84 v3(2692.91,4295.28) 2692.91,4297.43 2720.47,4324.99 D9.2
  Top Layer w24: D9.2 D10.1@2720.47,4529.28 ; D10.1 2721.71,4597.69 2809.06,4685.04 2895.18,4685.04 3008.06,4797.92 3008.06,4799.8 D12.2 3070.47,4803.54 3120.08,4753.94 J3.2
  Bottom Layer w18: v3(2464.57,4287.4) 2682.6,4287.4 2690.48,4295.28 v3(2692.91,4295.28)
NetD13_2: D13.2 R28.1 | length 436.8
  Top Layer w12: D13.2 1923.19,4287.37 1973.21,4287.37 2076.77,4390.92 R28.1
NetF2_2: F2.2 J3.1 | length 138
  Top Layer w26: F2.2 3081.5,4636.61 3113.39,4668.51 3162.61,4668.51 J3.1
NetQ3_1: Q3.1 R26.2 R27.2 | length 1315.2
  Top Layer w12: R27.2 2149.91,4338.89 2149.91,4399.3 R26.2 2181.72,4431.1 v5(2208.66,4431.1)
  Top Layer w14: Q3.1 v5(3031.5,4952.76)
  Bottom Layer w14: v5(2208.66,4431.1) 2299.21,4521.65 2638.78,4521.65 2773.62,4656.5 2773.62,4839.57 2817.91,4883.86 2899.61,4883.86 2969.49,4953.74 3030.51,4953.74 v5(3031.5,4952.76)
NetR1_1: R1.1 R4.2 U1.3 | length 112.3
  Top Layer w6: R1.1@2434.66,5119.11 2434.89,5118.87 2451.99,5118.87 2467.15,5103.72 R4.2 2469.04,5084.57 2518.62,5084.57 U1.3
NetR2_1: R2.1 U1.1 | length 210.9
  Top Layer w10: R2.1 2407.48,5283.46 2492.13,5198.82 2492.13,5144.68 2512.8,5124.02 U1.1
NetR4_1: R4.1 R7.2 | length 35.4
  Top Layer w6: R7.2 R4.1
NetR5_2: R5.2 U1.8 | length 366.4
  Top Layer w8: U1.8 2612.07,5083.8 2661.61,5083.8 2672.57,5072.83 v2(2675.2,5072.83) ; v2(2934.06,5091.54) 2934.55,5091.04 2964.07,5091.04 R5.2
  Bottom Layer w8: v2(2675.2,5072.83) 2688.37,5086.01 2925.9,5086.01 2931.43,5091.54 v2(2934.06,5091.54)
NetR10_1: R10.1 R12.2 U2.6 | length 111.8
  Top Layer w6: R12.2 2312.51,4721.46 2343.5,4752.45 2343.5,4752.95 U2.6
NetU2_4: U2.4 U3.3 | length 694.3
  Top Layer w6: v2(2453.74,4812.01) 2453.74,4809.83 2485.03,4778.54 U2.4
  Bottom Layer w6: U3.3 1993.9,4981.3 2352.36,4981.3 2453.74,4879.92 v2(2453.74,4812.01)
PP3V3: C19.2 F1.2 R9.2 R20.2 U3.1 U3.2 | length 2020
  Top Layer w6: R20.2 1916.34,5202.76 1935.61,5183.49 ; F1.2@2658.34,3780.19 F1.2
  Top Layer w12: v2(2623.66,3780.19) F1.2@2658.34,3780.19
  Bottom Layer w12: U3.2 1938.96,5033.86 1857.28,4952.19 1857.28,4049.78 1922.81,3984.25 2315.06,3984.25 2519.13,3780.19 v2(2623.66,3780.19)
PP12V: C1.2 C2.2 C11.2 C16.2 D8.2 Q1.2 R1.2 R11.2 R19.2 R21.2 U1.6 U2.3 | length 1772.3
  Top Layer w6: R19.2@2251.49,5307.09 2251.49,5288.86 2260.55,5279.8 2264.49,5279.8 v2(2266.73,5277.56) ; v2(2366.14,5118.11) R1.2
  Top Layer w10: R11.2 2529.16,4543.92 2529.53,4544.29
  Top Layer w16: 2525.92,4752.95 2563.32,4790.35 2562.99,4790.35 2595.47,4822.83
  Top Layer w17: U2.3 2525.92,4752.95
  Top Layer w20: 2569.88,4122.05 2569.88,4118.11 2581.96,4106.04 2581.96,4075.52 Q1.2 ; 2569.88,4133.86 2570.87,4134.84 C16.2 ; 2571.85,4178.15 2572.83,4177.17 R21.2 ; v7(3043.31,4405.51) 3046.65,4405.51 D8.2@3079.13,4437.99
  Bottom Layer w6: v2(2266.73,5277.56) 2293.31,5277.56 v2(2614.17,4956.69) ; v2(2366.14,5118.11) 2551.18,4933.07 2551.18,4874.02 v2(2566.93,4858.27)
  Bottom Layer w18: v6(2562.24,4385.83) 3019.02,4385.83 3038.71,4405.51 v7(3043.31,4405.51)
SOLENOID_TRIG: R26.1 R28.2 U3.7 | length 270.3
  Top Layer w12: U3.7 1953.96,4533.86 1995.07,4492.74 2099.78,4492.74 2116.14,4476.38 R26.1
SPI_IMU1_nCS: J2.5 U3.16 | length 1296
  Top Layer w12: U3.16 1953.96,3633.86 2100.45,3487.37 2866.2,3487.37 2967.74,3385.83 J2.5
SPI_IMU2_nCS: J2.1 U3.20 | length 1260.8
  Top Layer w12: U3.20 1953.96,3233.86 2103.17,3084.65 3069.84,3084.65 3069.93,3084.55 3126.08,3084.55 J2.1
SPI_IMU_CLK: J2.3 U3.18 | length 1278.4
  Top Layer w12: U3.18 1953.96,3433.86 2100.45,3287.37 2866.2,3287.37 2925.22,3228.35 J2.3
SPI_IMU_MISO: J2.2 U3.19 | length 1269.6
  Top Layer w12: U3.19 1953.96,3333.86 2100.45,3187.37 2866.2,3187.37 2903.96,3149.61 J2.2
SPI_IMU_MOSI: J2.4 U3.17 | length 1287.2
  Top Layer w12: U3.17 1953.96,3533.86 2100.45,3387.37 2866.2,3387.37 2946.48,3307.09 J2.4
VBATT: C3.2 C4.2 D1.1 J1.2 L1.1 R6.2 R14.1 R18.2 U1.9 | length 829.1
  Top Layer w10: R14.1 2687.01,4764.28 2728.35,4805.62 R6.2 2728.35,4917.89 v2(2754.97,4944.51) ; R18.2 3188.98,5083.41 3285.43,5179.87 3285.43,5273.62 3269.68,5289.37 3244.09,5289.37
  Bottom Layer w10: v2(2655.51,5150.59) 2655.51,5148.5 2653.46,5146.46 2653.46,5063.07 2754.97,4961.57 v2(2754.97,4944.51)
VBATT_MONITOR: C15.2 R14.2 R15.1 U3.4 | length 1187.2
  Top Layer w12: C15.2 1827.36,4833.27 1945.87,4833.27 U3.4 ; R14.2 R15.1 2716.17,4669.91 v2(2716.54,4670.28)
  Bottom Layer w12: U3.4 1953.96,4833.86 2012.8,4775.02 2012.8,4667.32 2102.36,4577.76 2595.47,4577.76 2687.99,4670.28 v2(2716.54,4670.28)
pads on no net: U3.8 U3.9 U3.10 U3.11 U3.12 U3.13 U3.21 U3.24 U3.25 U3.26 U3.27 U3.28 U3.29 U3.30 U3.31 U3.32 U3.33 U3.34 U3.35 U3.36 U3.37 U3.38 U3.39 U3.40 U3.41 U3.42

## Polygon pours and split planes (outlines as drawn)
GND on Top Layer "GND_L01_P020" (solid, remove dead copper, pour order 20): 1603.35,5474.41 1706.69,5577.76 3513.78,5577.76 3630.91,5460.63 3630.91,2996.06 3454.72,2819.88 1639.76,2819.88 1603.35,2856.3 1603.35,5475.39
PP12V on Top Layer "Top Layer-PP12V" (solid, pour order 5): 2523.62,4119.09 2541.34,4101.38 2566.93,4101.38 2586.61,4121.06 2586.61,4553.15 2659.45,4625.98 2659.45,4991.14 2586.61,5063.98 2586.61,5086.61 2570.87,5086.61 2570.87,5039.37 2551.18,5019.69 2551.18,4854.33 2582.68,4822.83 2610.24,4795.28 2610.24,4651.57 2523.62,4564.96
VBATT on Top Layer "Top Layer-VBATT" (solid, remove dead copper, pour order 10): 3240.16,5255.91 3255.91,5271.65 3255.91,5311.02 3232.28,5334.65 2937.01,5334.65 2822.83,5448.82 2649.61,5448.82 2582.68,5381.89 2582.68,5246.06 2633.86,5194.88 2633.86,5122.05 2622.05,5110.24 2602.36,5110.24 2602.36,5098.43 2622.05,5098.43 2625.98,5094.49 2681.1,5094.49 2681.1,5207.68 2692.91,5219.49 2692.91,5307.09 2712.6,5326.77 2834.65,5326.77 2905.51,5255.91
PP3V3 on Top Layer "PP3V3_L01_P019" (solid, pour order 19): 1896.65,4982.28 1880.91,4998.03 1880.91,5149.61 1925.2,5193.9 2155.51,5193.9 2170.28,5179.13 2170.28,5144.69 2156.5,5130.91 2046.26,5130.91 2011.81,5096.46 2011.81,5007.87 1986.22,4982.28
GND on Top Layer "GND_L01_P016" (solid, pour order 16): 2475.39,4692.91 2525.59,4642.72 2579.72,4642.72 2592.52,4655.51 2592.52,4685.04 2583.66,4693.9 2531.5,4693.9 2514.76,4710.63 2475.39,4710.63
NetC10_1 on Top Layer "NETC10_1_L01_P014" (solid, pour order 14): 2100.39,4872.05 2083.66,4855.31 2083.66,4717.52 2120.08,4681.1 2202.76,4681.1 2228.35,4706.69 2228.35,4852.36 2208.66,4872.05
NetC12_2 on Top Layer "NETC12_2_L01_P011" (solid, pour order 11): 2243.34,4901.8 2288.39,4946.85 2288.39,5093.5 2258.86,5123.03 2112.2,5123.03 2094.49,5105.31 2094.49,5002.95 2062.99,4971.46 2062.99,4922.24 2084.6,4900.63
NetC10_1 on Top Layer "NETC10_1_L01_P013" (solid, pour order 13): 2534.94,4735.73 2552.66,4753.44 2572.34,4753.44 2588.09,4737.7 2588.09,4712.11 2580.71,4704.72 2550.2,4704.72 2534.94,4719.98
GND on Top Layer "GND_L01_P009" (solid, pour order 9): 2559.06,5086.61 2543.31,5086.61 2543.31,5063.98 2510.83,5031.5 2488.19,5031.5 2458.66,5001.97 2458.66,4834.65 2519.69,4834.65 2539.37,4854.33 2539.37,5019.69 2559.06,5039.37
NetC6_2 on Top Layer "NETC6_2_L01_P008" (solid, pour order 8): 2584.65,5104.33 2584.65,5151.57 2570.87,5165.35 2570.87,5263.78 2566.93,5267.72 2566.93,5381.89 2539.37,5409.45 2480.31,5409.45 2456.69,5385.83 2456.69,5271.65 2515.75,5212.6 2515.75,5157.48 2545.28,5127.95 2545.28,5104.33
GND on Bottom Layer "GND_L04_P021" (solid, pour order 21): 1578.74,5433.07 1736.22,5590.55 3503.94,5590.55 3629.92,5464.57 3629.92,2988.19 3456.69,2814.96 1716.54,2814.96 1578.74,2952.76 1578.74,5429.13
NetC10_1 on Bottom Layer "NETC10_1_L04_P012" (solid, pour order 12): 2589.57,4711.61 2589.57,4739.17 2575.79,4752.95 2239.17,4752.95 2198.82,4793.31 2105.32,4793.31 2088.58,4776.57 2088.58,4715.55 2123.03,4681.1 2559.06,4681.1
GND on GND2 "GND_L03_P001" (solid, pour order 1): 1637.8,2791.34 1637.8,5551.18 1763.78,5677.17 3456.69,5677.17 3637.8,5496.06 3637.8,3023.62 3405.51,2791.34
GND on GND1 "GND_L02_P000" (solid, pour order 0): 1653.54,2842.52 1653.54,5492.13 1795.28,5633.86 3480.32,5633.86 3633.86,5480.31 3633.86,2960.63 3515.75,2842.52

## Other copper
Top Layer:
  pour cut-out: 2414.74,4794.56 2467.25,4794.56 2474.41,4787.4 2474.41,4680.17 2466.29,4672.05 2418.5,4672.05 2406.5,4684.06 2406.5,4783.46 2407.48,4784.45 2407.48,4787.3
  pour cut-out: 2417.32,5035.43 2409.45,5027.56 2370.08,5027.56 2338.58,5059.06 2338.58,5091.47 2346.42,5099.31 2347.3,5098.43 2417.32,5098.43
GND1:
  pour cut-out: 2287.38,4803.15 2292.5,4805.28 2298.05,4805.28 2303.17,4803.15 2307.09,4799.23 2309.21,4794.11 2309.21,4788.57 2307.09,4783.44 2303.17,4779.52 2298.05,4777.4 2292.5,4777.4 2287.38,4779.52 2283.46,4783.44 2281.34,4788.57 2281.34,4794.11 2283.46,4799.23
  pour cut-out: 2386.79,5061.03 2391.91,5063.15 2397.46,5063.15 2402.58,5061.03 2406.5,5057.11 2408.62,5051.98 2408.62,5046.44 2406.5,5041.32 2402.58,5037.4 2397.46,5035.28 2391.91,5035.28 2386.79,5037.4 2382.87,5041.32 2380.75,5046.44 2380.75,5051.98 2382.87,5057.11
GND2:
  pour cut-out: 2386.79,5061.03 2391.91,5063.15 2397.46,5063.15 2402.58,5061.03 2406.5,5057.11 2408.62,5051.98 2408.62,5046.44 2406.5,5041.32 2402.58,5037.4 2397.46,5035.28 2391.91,5035.28 2386.79,5037.4 2382.87,5041.32 2380.75,5046.44 2380.75,5051.98 2382.87,5057.11
  pour cut-out: 2287.38,4803.15 2292.5,4805.28 2298.05,4805.28 2303.17,4803.15 2307.09,4799.23 2309.21,4794.11 2309.21,4788.57 2307.09,4783.44 2303.17,4779.52 2298.05,4777.4 2292.5,4777.4 2287.38,4779.52 2283.46,4783.44 2281.34,4788.57 2281.34,4794.11 2283.46,4799.23
Bottom Layer:
  pour cut-out: 2546.73,4860.4 2533.77,4847.44 2517.72,4847.44 2514.76,4850.39 2514.76,4867.13 2520.67,4873.03 2525.59,4873.03 2531.5,4878.94 2531.5,4920.28 2416.34,5035.43 2387.34,5035.43 2377.95,5044.82 2377.95,5055.81 2386.12,5063.98 2411.09,5063.98 2546.73,4928.33
  pour cut-out: 2263.5,4919.53 2260.83,4916.86 2260.83,4895.67 2278.54,4877.95 2278.54,4783.46 2287.4,4774.61 2305.14,4774.61 2315.81,4785.28 2315.81,4811.16 2305.12,4821.85 2305.12,4900.59 2286.91,4918.8

## Silkscreen, mask and mechanical layers (free items; w line width, h text height)
Top Overlay:
  lines w6: 2322.83,4818.9 2334.65,4818.9 2342.52,4811.02 2342.52,4807.09
  text "12V" at 2014.76,5366.64 h80
  text "VBATT" at 2871.85,5366.64 h80
  text "3V3" at 1840.55,5365.5 h80
  text "TRIGGER" at 1830.21,3679.75 h80 r90
Board Shape:
  the board outline again, w10